# Altium PCB DT35_ACQ_F3_V1.2.PcbDoc (part 1 of 2)
Units mm, origin at the board's own origin, x right, y up, seen from the top; angles counter-clockwise.
Board outline 42.48 x 58.41 mm, 4 copper layers (Top Layer, Int1 (GND), Int2 (PWR), Bottom Layer), stack 1.369 mm thick; 122 components, 92 nets, 386 pads, 182 vias.
Unrouted connection lines stored in the file: 3.
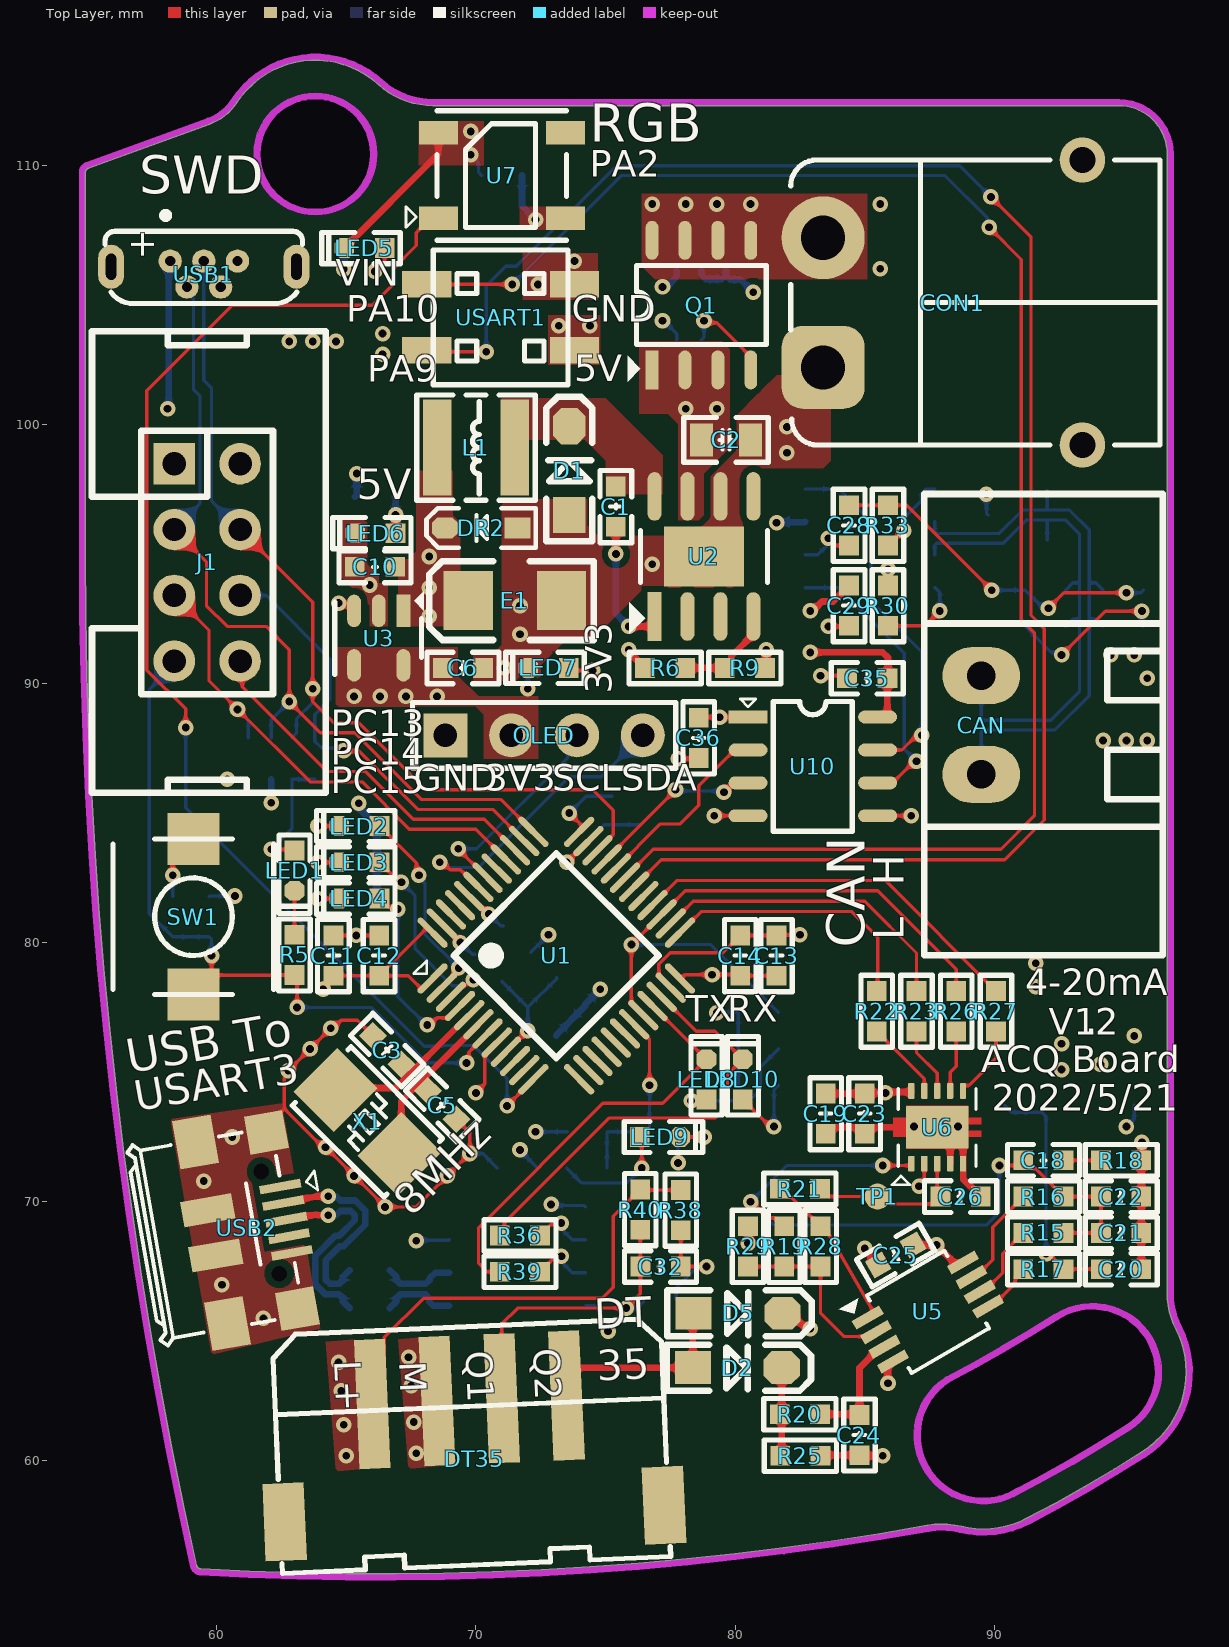
[diagram p0: Top Layer view]
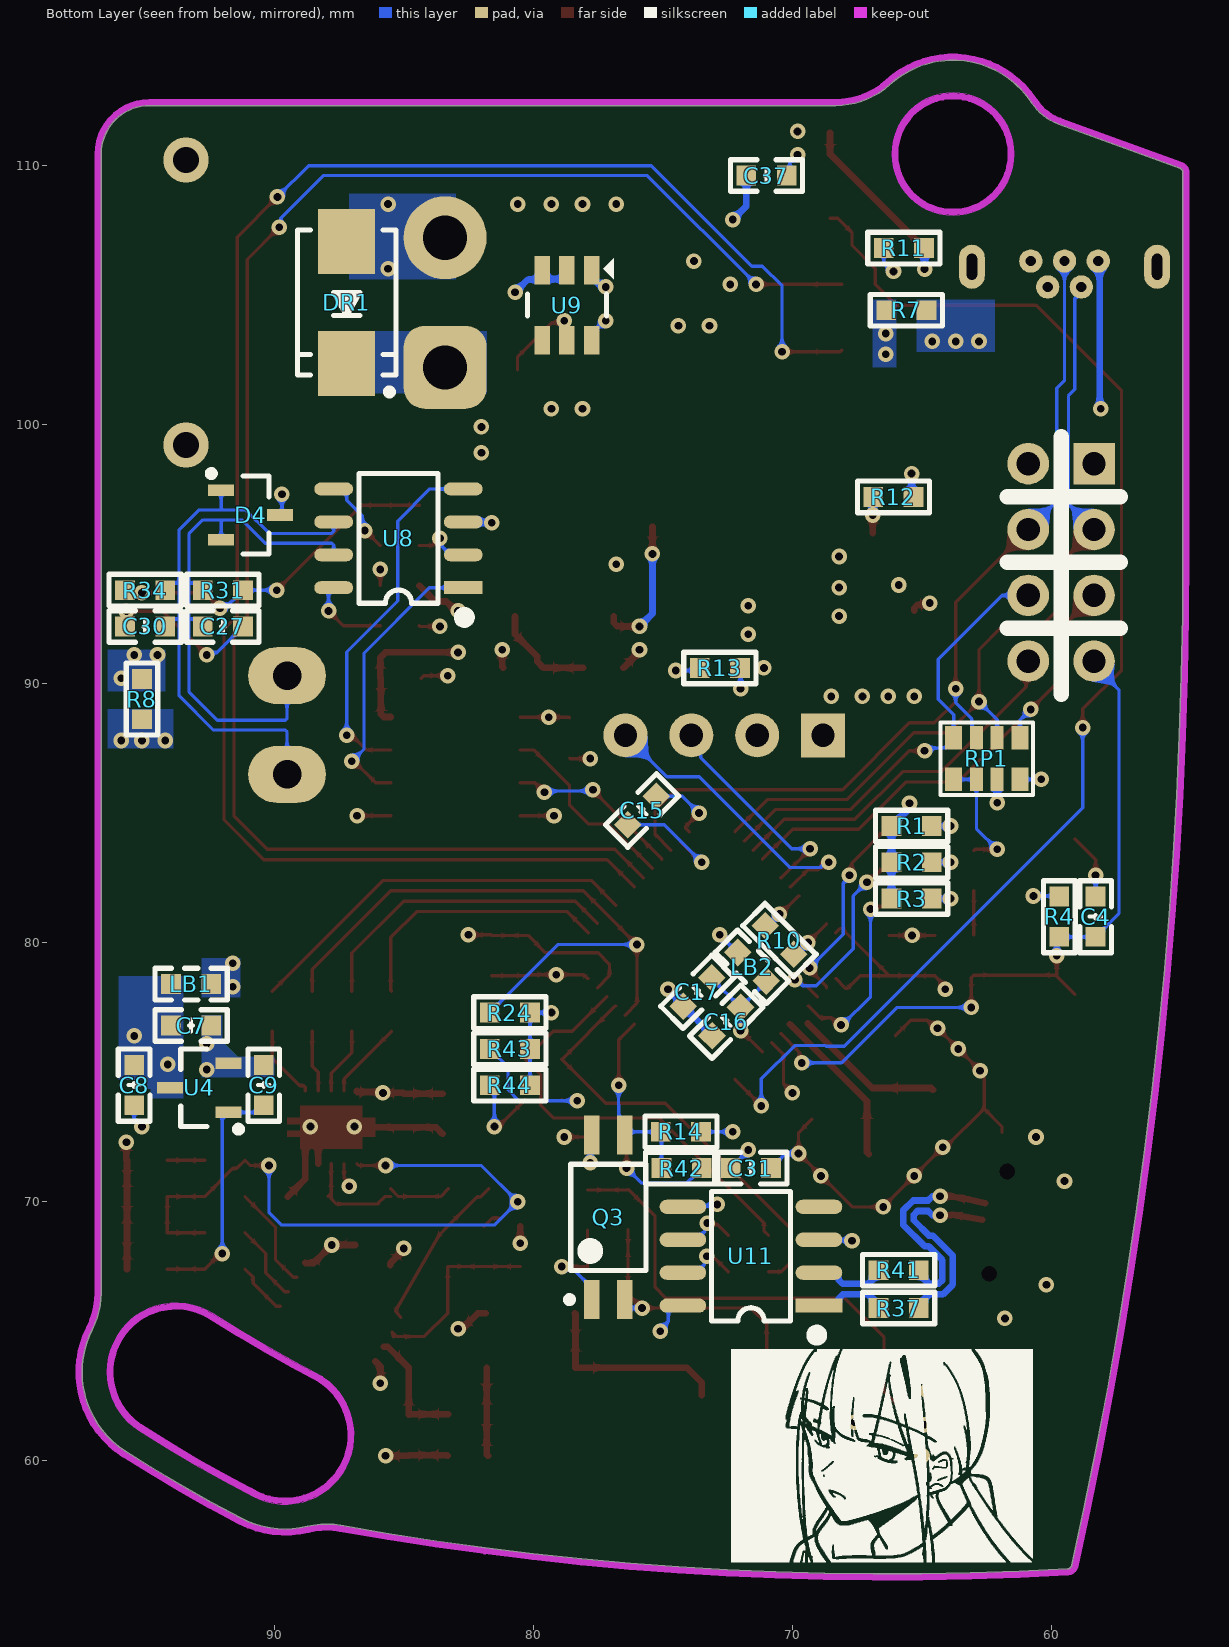
[diagram p1: Bottom Layer view, seen from below]
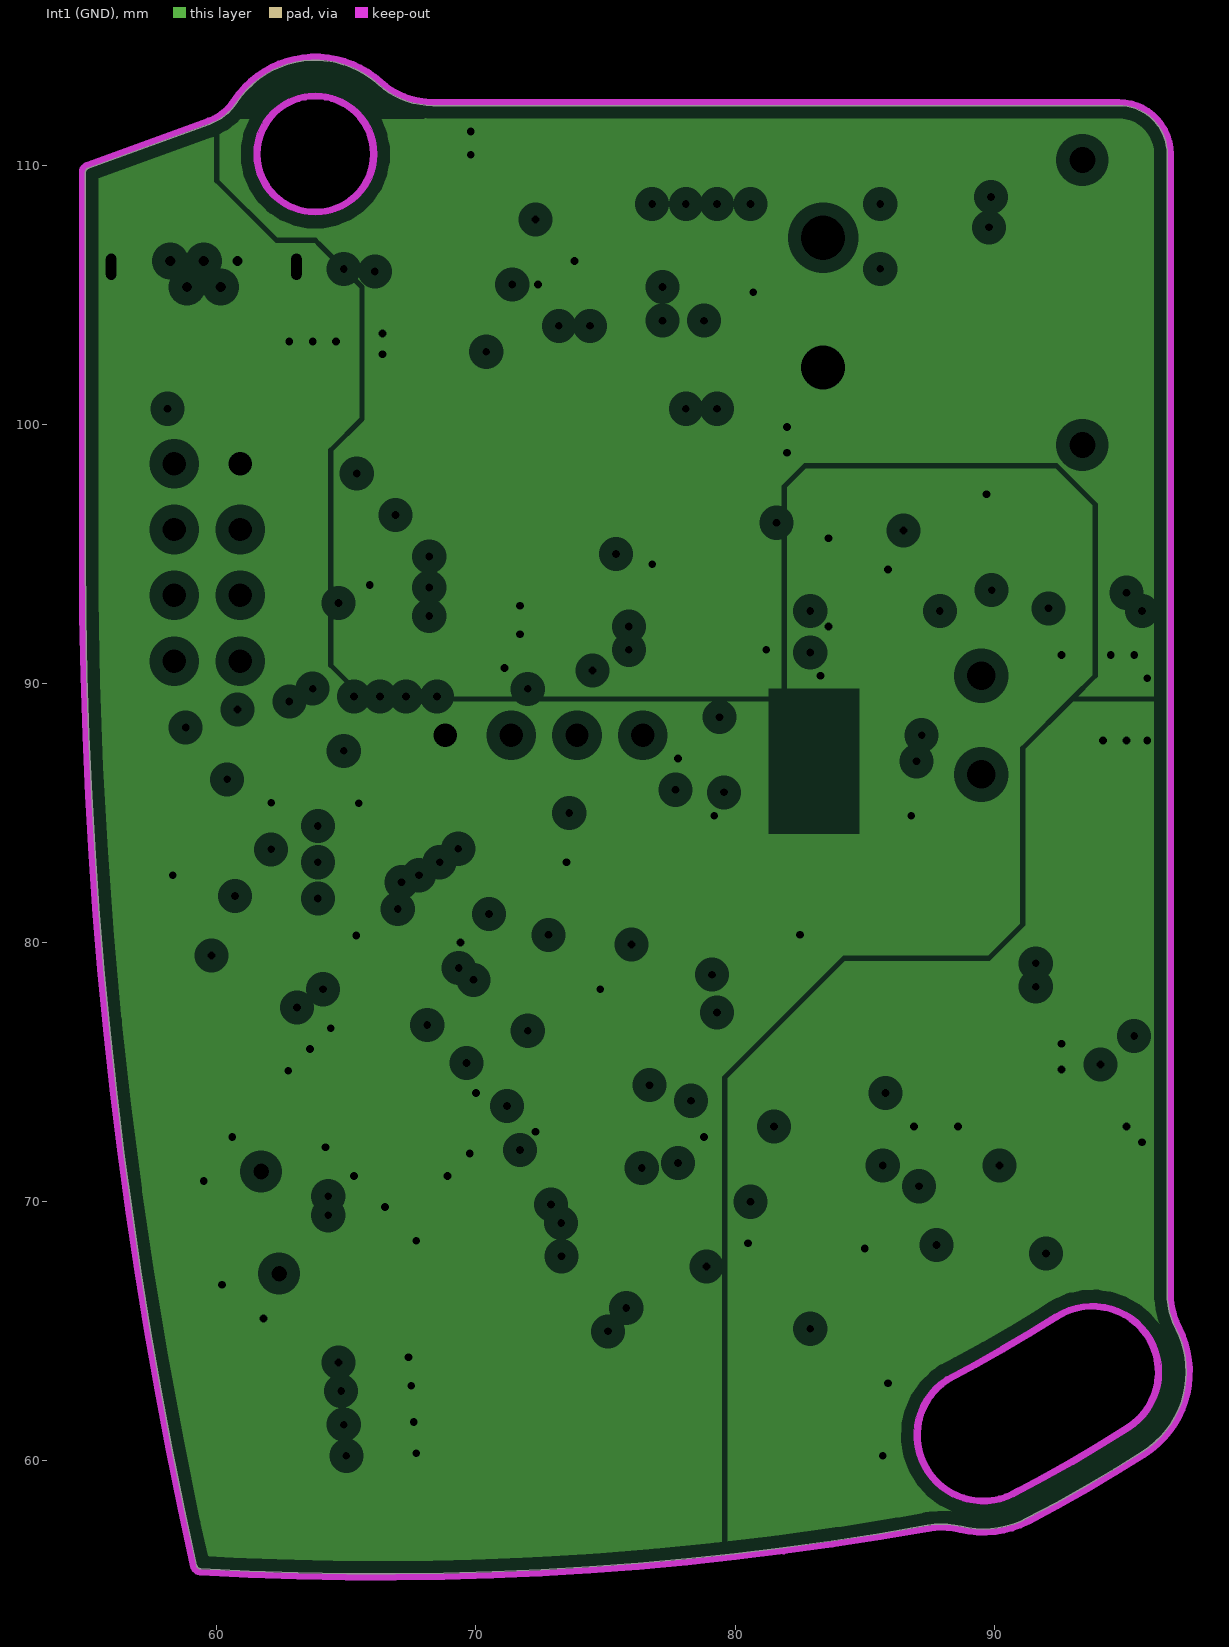
[diagram p2: Int1 (GND), clearances drawn from the general rule]
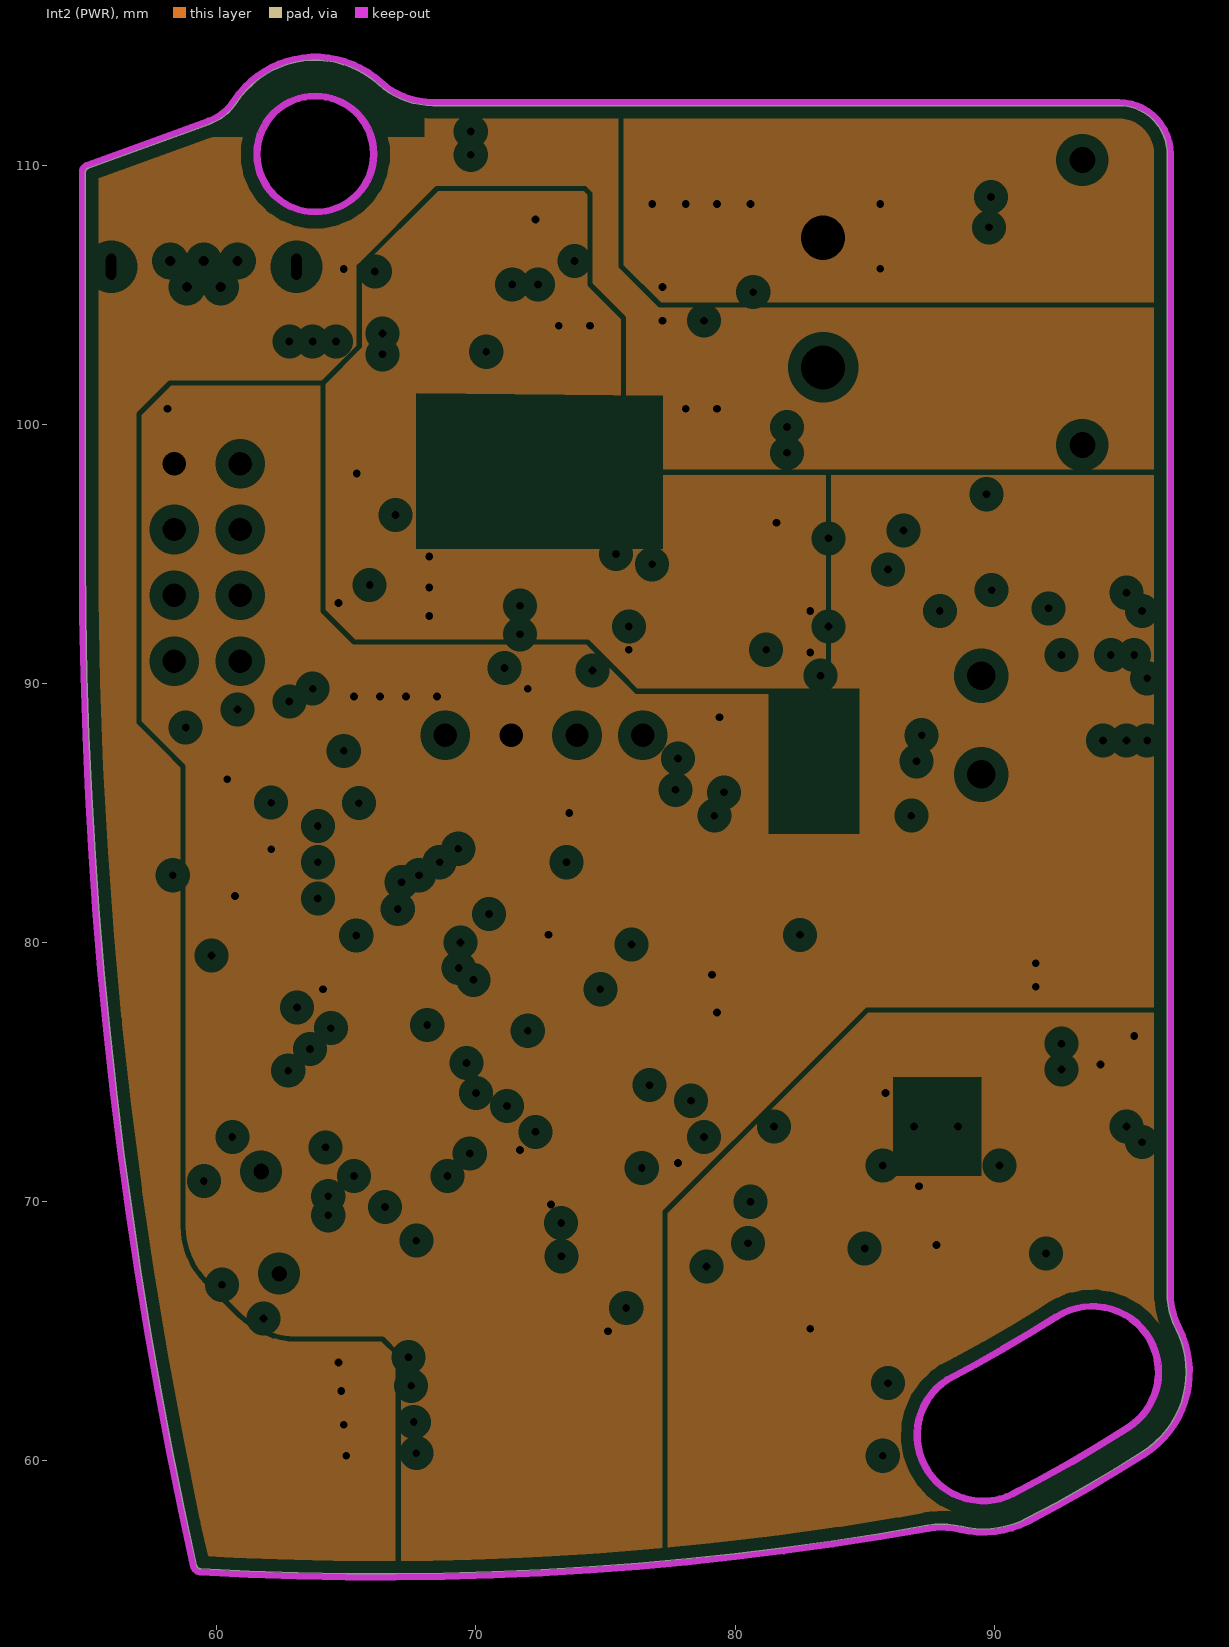
[diagram p3: Int2 (PWR), clearances drawn from the general rule]

## Layer stack, top to bottom
Top Solder: solder mask 0.0254, SM-001, Dk 4
Top Layer: signal copper 0.035
Dielectric 1: prepreg 0.1295, PP-017, Dk 4.3
Dielectric 2: prepreg 0.1295, PP-017, Dk 4.3
Int1 (GND): plane copper 0.035
Dielectric 3: core 0.7112, Core-039, Dk 4.8
Int2 (PWR): plane copper 0.035, net (Multiple Nets)
Dielectric 4: prepreg 0.1295, PP-017, Dk 4.3
Dielectric 5: prepreg 0.1295, PP-017, Dk 4.3
Bottom Layer: signal copper 0.035
Bottom Solder: solder mask 0.0254, SM-001, Dk 4

## Board outline
54.93,94.928 54.93,109.718 cw(c55.103,109.718) 55.043,109.88 ccw(c55.034,109.907) 55.044,109.88 59.722,111.583 ccw(c59.7,111.644) 59.723,111.583 ccw(c58.995,113.582) 60.774,112.415 ccw(c60.731,112.444) 60.774,112.416 cw(c63.803,110.428) 66.236,113.112 ccw(c69.299,116.498) 66.237,113.111 ccw(c66.27,113.148) 66.237,113.111 cw(c71.959,119.443) 66.236,113.112 cw(c66.798,113.725) 66.236,113.112 66.237,113.111 ccw(c68.337,115.428) 68.336,112.301 ccw(c68.337,113.083) 68.337,112.301 94.803,112.301 cw(c94.803,112.294) 94.803,112.301 cw(c94.803,110.428) 96.675,110.429 cw(c100.477,110.399) 96.675,110.429 cw(c96.658,110.429) 96.675,110.428 96.675,66.49 ccw(c99.789,66.49) 96.675,66.489 ccw(c97.158,66.493) 96.675,66.489 ccw(c99.803,66.49) 97.015,65.072 cw(c97.023,65.076) 97.015,65.072 ccw(c97.058,65.093) 97.015,65.071 ccw(c97.68,65.415) 97.016,65.071 97.015,65.071 cw(c93.787,63.428) 97.41,63.428 cw(c93.787,63.428) 95.735,60.374 cw(c95.77,60.32) 95.736,60.375 95.735,60.374 ccw(c95.748,60.354) 95.735,60.374 cw(c63.803,110.427) 91.252,57.782 ccw(c91.281,57.725) 91.251,57.781 cw(c91.191,57.897) 91.251,57.781 cw(c89.577,60.994) 88.719,57.474 cw(c88.709,57.433) 88.719,57.474 ccw(c88.712,57.447) 88.718,57.474 cw(c88.709,57.435) 88.719,57.474 88.718,57.474 ccw(c87.978,54.436) 87.428,57.514 ccw(c87.457,57.347) 87.427,57.514 cw(c66.303,175.511) 59.378,55.838 ccw(c59.375,55.806) 59.377,55.838 ccw(c59.376,55.831) 59.376,55.838 ccw(c59.628,60.157) 59.377,55.838 59.376,55.838 cw(c59.387,56.011) 59.218,55.973 ccw(c59.205,55.971) 59.218,55.974 cw(c234.01,94.928)
cut-out: 61.438,110.428 cw(c63.803,110.428) 66.167,110.428 cw(c63.803,110.428)
cut-out: 90.808,58.631 cw(c89.577,60.994) 88.102,63.213 cw(c88.207,63.142) 88.149,63.255 ccw(c63.803,110.428) 92.354,65.674 cw(c93.787,63.428) 96.451,63.428 cw(c93.787,63.428) 95.22,61.182 cw(c63.802,110.428)

## Design rules (kind name [scope] priority, off if disabled: settings)
Clearance Polygon [InPolygon] p1: gap=0.254 ignorepadtopadclearanceinfootprint=FALSE
Clearance [All] p2: gap=0.127 ignorepadtopadclearanceinfootprint=FALSE except(0.305: Arc-Via Arc-Hole Track-Via Track-Hole)
DiffPairsRouting [All] p1: maxlimit=0.254 minlimit=0.127 mostfreqgap=0.152 toplayer_minwidth=0.127 toplayer_maxwidth=0.381 toplayer_prefwidth=0.254 bottomlayer_minwidth=0.127 bottomlayer_maxwidth=0.381 bottomlayer_prefwidth=0.254 maxuncoupledlength=12.7
HoleSize [All] p1: absolutevalues=TRUE maxlimit=10 minlimit=0.3 maxpercent=80.000 minpercent=20.000
MinimumSolderMaskSliver [All] p1: minsoldermaskwidth=0
PlaneClearance [All] p1: clearance=0.508
PlaneConnect [All] p1: planeconnectstyle=Direct reliefexpansion=0.508 reliefentries=4 reliefconductorwidth=0.254 reliefairgap=0.254
PolygonConnect [All] p1: connectstyle=Direct reliefconductorwidth=0.254 reliefentries=4 polygonreliefangle="90 Angle" airgapwidth=0.254
RoutingVias [All] p1: holewidth=0.3 width=0.6 viastyle="Through Hole" minholewidth=0.3 minwidth=0.6 maxholewidth=0.711 maxwidth=1.27
SilkToSilkClearance [All] p1: silktosilkclearance=0
SilkToSolderMaskClearance [IsPad] p1: minsilkscreentomaskgap=0 clearancetoexposedcopper=TRUE
SolderMaskExpansion [All] p1: expansion=0.064 istentingtop=FALSE
Width [All] p1: maxlimit=1.016 minlimit=0.127 preferedwidth=0.254
23 further rules are at their usual default settings.

## Classes and differential pairs
component class Single_Supply_ADC_V1.1: C1 C2 C3 C4 C5 C6 C7 C8 C9 C10 C11 C12 C13 C14 C15 C16 C17 C18 C19 C20 C21 C22 C23 C24 C25 C26 CON1 D1 D2 D5 DR1 DR2 DT35 E1 J1 L1 LB1 LB2 LED1 LED2 LED3 LED4 LED5 LED6 LED7 Q1 R1 R2 R3 R4 R5 R6 R7 R8 R9 R10 R11 R12 R13 R15 R16 R17 R18 R19 R20 R21 R22 R23 R24 R25 R26 R27 R28 R29 RP1 SW1 TP1 U1 U2 U3 U4 U5 U6 U9 USB1 X1
component class Communication_V1.1: C27 C28 C29 C30 C31 C32 C35 C36 C37 CAN D4 LED8 LED9 LED10 OLED Q3 R14 R30 R31 R33 R34 R36 R37 R38 R39 R40 R41 R42 R43 R44 U7 U8 U10 U11 USART1 USB2
differential pair UD: +UD_P -UD_N
differential pair D: +D_P -D_N
differential pair CAN1: +CAN1_P -CAN1_N

## Components (designator, comment, footprint, x,y, rotation, side; value= is the part's Value field where it differs from the comment)
C1 "103" "C 0603_L" 75.4,96.823 r270 top
C2 "106" "C 0805_L" 79.65,99.4 r180 top
C3 "22pF" "C 0603_L" 66.575,75.855 r315 top
C4 "104" "C 0603_L" 58.3,81 r270 bottom
C5 "22pF" "C 0603_L" 68.697,73.733 r135 top
C6 "2.2uF" "C 0603_L" 69.5,90.6 r0 top
C7 "104" "C 0603_L" 93.2,76.8 r180 bottom
C8 "2.2uF" "C 0603_L" 95.4,74.5 r270 bottom
C9 "105" "C 0603_L" 90.4,74.5 r90 bottom
C10 "2.2uF" "C 0603_L" 66.106,94.5 r180 top
C11 "104" "C 0603_L" 64.5,79.5 r270 top
C12 "104" "C 0603_L" 66.265,79.5 r270 top
C13 "104" "C 0603_L" 81.6,79.5 r270 top
C14 "104" "C 0603_L" 80.2,79.5 r270 top
C15 "4.7uF" "C 0603_L" 75.8,85.1 r135 bottom
C16 "103" "C 0603_L" 72.549,76.951 r135 bottom
C17 "105" "C 0603_L" 73.665,78.098 r135 bottom
C18 "47uF" "C 0603_L" 91.9,71.6 r180 top
C19 "105" "C 0603_L" 83.5,73.398 r90 top
C20 "105" "C 0603_L" 94.9,67.4 r180 top
C21 "104" "C 0603_L" 94.9,68.8 r180 top
C22 "104" "C 0603_L" 94.9,70.2 r180 top
C23 "105" "C 0603_L" 85,73.398 r90 top
C24 "105" "C 0603_L" 84.8,61 r90 top
C25 "104" "C 0603_L" 86.198,67.945 r30 top
C26 "47nF" "C 0603_L" 88.7,70.2 r0 top
C27 "100pF" "C 0603_L" 91.977,92.2 r0 bottom
C28 "4.7nF" "C 0603_L" 84.4,96.1 r270 top
C29 "104" "C 0603_L" 84.4,93 r90 top
C30 "100pF" "C 0603_L" 94.977,92.2 r0 bottom
C31 "104" "C 0603_L" 71.6,71.3 r180 bottom
C32 "104" "C 0603_L" 77.123,67.5 r180 top
C35 "104" "C 0603_L" 85.1,90.2 r180 top
C36 "104" "C 0603_L" 78.6,87.9 r270 top
C37 "104" "C 0603_L" 71,109.6 r180 bottom
CAN "EDG-RM-3.81" 15EDGRM-02P-3.81mm 88.5,94.11 r90 top
CON1 "XT30PW-M" XT30PW-M 83.4,104.7 r270 top
D1 "DSK34" SOD-123 73.6,98.215 r90 top
D2 "1N4148" SOD-123 80.085,63.6 r0 top
D4 "NUP2105" SOT23-3L 90.9,96.5 r270 bottom
D5 "1N4148" SOD-123 80.115,65.7 r0 top
DR1 "SMBJ28CA" SMB 87.2,104.7 r270 bottom
DR2 "SMF5.0A" SOD-323 70.2,96 r180 top
DT35 "HDR-1X4" XH2.54-LS-4P 69.894,58.984 r182.5 top
E1 "220uF/6.3V" "CD B(3528)" 71.5,93.2 r0 top
J1 "H_JTAG_8" IDC2.54-LI-2x4P 58.36,98.48 r270 top
L1 "15uH" NR4020 70,99.1 r180 top
LB1 "120R@100MHz" "FB 0603_L" 93.2,78.4 r0 bottom
LB2 "33R@100MHz" "FB 0603_L" 71.559,79.072 r225 bottom
LED1 "WHITE" "LED 0603W" 63,82.777 r270 top
LED2 "RED" "LED 0603R" 65.5,84.5 r180 top
LED3 "GREEN" "LED 0603G" 65.5,83.1 r180 top
LED4 "BLUE" "LED 0603B" 65.5,81.7 r180 top
LED5 "PINK" "LED 0603R" 65.7,106.8 r180 top
LED6 "YELLOW" "LED 0603R" 66.123,95.8 r180 top
LED7 "ORANGE" "LED 0603R" 72.8,90.6 r180 top
LED8 "BLUE" "LED 0603B" 78.9,74.723 r90 top
LED9 "PINK" "LED 0603R" 77.1,72.5 r0 top
LED10 "GREEN" "LED 0603G" 80.3,74.723 r90 top
OLED "HDR-1X4" OLED_0.96寸-LI-4P 72.63,88 r0 top locked
Q1 "IRF7416" SOP8_L 78.7,104.6 r90 top
Q3 "TLP291" Everlight_EL3H7-G_MFG 77.1,69.4 r90 bottom
R1 "1K" "R 0603_L" 65.4,84.5 r0 bottom
R2 "1K" "R 0603_L" 65.4,83.1 r0 bottom
R3 "1K" "R 0603_L" 65.4,81.7 r0 bottom
R4 "10K" "R 0603_L" 59.7,81 r90 bottom
R5 "1K" "R 0603_L" 63,79.523 r90 top
R6 "10K" "R 0603_L" 77.3,90.6 r180 top
R7 "0r" "R 0603_L" 65.6,104.4 r180 bottom
R8 "0r" "R 0603_L" 95.1,89.4 r270 bottom
R9 "3.24K" "R 0603_L" 80.377,90.6 r0 top
R10 "10K" "R 0603_L" 70.5,80.1 r45 bottom
R11 "20K" "R 0603_L" 65.7,106.8 r0 bottom
R12 "3.3K" "R 0603_L" 66.1,97.2 r180 bottom
R13 "2K" "R 0603_L" 72.8,90.6 r180 bottom
R14 "10K" "R 0603_L" 74.3,72.7 r180 bottom
R15 "1K" "R 0603_L" 91.9,68.8 r0 top
R16 "2.2K" "R 0603_L" 91.9,70.2 r0 top
R17 "10K" "R 0603_L" 91.9,67.4 r180 top
R18 "10" "R 0603_L" 94.9,71.6 r180 top
R19 "5.11K" "R 0603_L" 81.9,68.277 r90 top
R20 "51" "R 0603_L" 82.5,61.8 r180 top
R21 "10" "R 0603_L" 82.5,70.5 r180 top
R22 "22" "R 0603_L" 85.467,77.352 r270 top
R23 "22" "R 0603_L" 87,77.352 r270 top
R24 "10K" "R 0603_L" 80.9,77.3 r180 bottom
R25 "120 0.1%" "R 0603_L" 82.523,60.2 r180 top
R26 "22" "R 0603_L" 88.533,77.352 r270 top
R27 "22" "R 0603_L" 90.067,77.352 r270 top
R28 "1K" "R 0603_L" 83.3,68.277 r270 top
R29 "124K" "R 0603_L" 80.5,68.277 r270 top
R30 "10K" "R 0603_L" 85.9,93 r90 top
R31 "60" "R 0603_L" 91.977,93.6 r0 bottom
R33 "1K" "R 0603_L" 85.9,96.1 r270 top
R34 "60" "R 0603_L" 94.977,93.6 r0 bottom
R36 "22" "R 0603_L" 71.7,68.7 r0 top
R37 "22" "R 0603_L" 65.9,65.9 r0 bottom
R38 "5.1K" "R 0603_L" 77.906,69.677 r90 top
R39 "22" "R 0603_L" 71.7,67.3 r0 top
R40 "10K" "R 0603_L" 76.34,69.7 r270 top
R41 "22" "R 0603_L" 65.9,67.36 r0 bottom
R42 "1.5K" "R 0603_L" 74.277,71.3 r180 bottom
R43 "1K" "R 0603_L" 80.9,75.9 r0 bottom
R44 "1K" "R 0603_L" 80.9,74.5 r0 bottom
RP1 "104" RCA-8P4R-0603 62.5,87.1 r0 bottom
SW1 "6x6x5" "TS 2PIN 6x6x4.8" 59.1,81 r90 top
TP1 "" "TEST 1" 85.5,70.2 r0 top
U1 "STM32F302C8T6" "LQFP48 7X7_L" 73.1,79.5 r315 top
U2 "TPS5430" Texas_Instruments_DDA0008J_IPC_C 78.8,94.9 r90 top
U3 "ADP7118AUJZ-3.3" Analog_Devices_Inc_UJ-5_IPC_C 66.25,91.75 r270 top
U4 "AD1582BRTZ-REEL7" SOT23-3L 92.9,74.4 r90 bottom
U5 "AD8606ARMZ-REEL" RM_8_ADI-L 87.442,65.747 r30 top
U6 "ADS8864IDRCR" DRC10_TEX 87.8,72.875 r90 top
U7 "WS2812" WS2812B_B 71,109.6 r180 top
U8 "SN65HVD1050" SOP8_L 85.2,95.6 r0 bottom
U9 "LTC4412ES6" Texas_Instruments_DDC0006A_0 78.7,104.6 r0 bottom
U10 "ISO7221BDR" SOP8_L 83,86.8 r0 top
U11 "CH340N" SOP8_N 71.6,67.9 r0 bottom
USART1 "Header2X2" HDR2.54-M-LS-2x2P 70.95,104.13 r90 top
USB1 "SWD" USB-MICRO_C 59.5,105.8 r0 top
USB2 "USB-5P" USB-MICRO_E 59.8,68.8 r280 top
X1 "8MHz" "OSC 5032-2P" 65.814,73.081 r135 top
